# Allegro board 8880F5-0827_6.brd (continued)
## Routing (per net, layer and track width the routed paths; a pad name or vN(x,y) marks a point on that pad's centre or on a via; arc(x,y) is an arc through that point) (continued)
D10701: length 215.7
  TOP w0.086: SITE4.172 317.68,177.63 317.6,177.71 313.62,177.71 312.68,176.77 311.43,176.77 v1(310.98,176.32)
  L03_SIGNAL w0.071: v1(325.39,142.43) 324.99,142.43 324.92,142.36 324.92,141.4 325.93,140.39 340.08,140.39 376.74,103.73 376.74,51.31 378.67,49.39 382.41,49.39 383.51,50.49 383.51,53.37 D107.01
  L30_SIGNAL w0.071: v1(310.98,176.32) 310.98,176.72 311.05,176.79 312.11,176.79 312.59,177.27 312.59,181.47 311.58,182.49 305.7,182.49 304.01,180.8 304.01,159.18 313.89,149.3 313.89,144.2 317.32,140.77 324.28,140.77 324.92,141.41 324.92,142.36 324.99,142.43 v1(325.39,142.43)
D10702: length 197.6
  TOP w0.086: v1(307.59,169.94) 308.05,170.39 321.9,170.39 322.55,171.04 322.55,171.4 322.63,171.48 SITE4.2
  L03_SIGNAL w0.071: v1(357.06,131.3) 357.06,131.7 357.13,131.77 359.78,131.77 378.65,112.9 378.65,63.63 380.11,62.18 384.9,62.18 385.93,61.15 385.93,60.81 D107.02
  L32_SIGNAL w0.071: v1(307.59,169.94) 307.59,170.34 307.67,170.41 318.35,170.41 321.36,167.4 331.7,167.4 334.63,164.46 334.63,144.9 333.46,143.72 333.46,135.24 341.52,127.19 351.88,127.19 356.46,131.77 356.99,131.77 357.06,131.7 v1(357.06,131.3)
D10703: length 214.7
  TOP w0.086: SITE4.171 317.68,178.03 317.6,177.95 313.52,177.95 312.58,177.01 311.43,177.01 v1(310.98,177.46)
  L03_SIGNAL w0.071: v1(324.25,142.43) 324.65,142.43 324.72,142.36 324.72,141.32 325.85,140.19 340,140.19 376.55,103.64 376.55,51.23 378.59,49.19 382.49,49.19 383.71,50.41 383.71,53.51 D107.03
  L30_SIGNAL w0.071: v1(324.25,142.43) 324.65,142.43 324.72,142.36 324.72,141.49 324.2,140.97 317.4,140.97 314.09,144.28 314.09,149.38 304.21,159.26 304.21,180.72 305.78,182.29 311.5,182.29 312.39,181.39 312.39,177.35 312.03,176.99 311.05,176.99 310.98,177.06 v1(310.98,177.46)
D10704: length 197.5
  TOP w0.086: SITE4.1 322.23,171.48 322.31,171.4 322.31,171.14 321.8,170.63 308.05,170.63 v1(307.59,171.09)
  L03_SIGNAL w0.071: D107.04 386.13,60.91 386.13,61.24 384.99,62.38 380.19,62.38 378.85,63.72 378.85,112.98 359.86,131.97 357.13,131.97 357.06,132.04 v1(357.06,132.44)
  L32_SIGNAL w0.071: v1(357.06,132.44) 357.06,132.04 356.99,131.97 356.38,131.97 351.79,127.38 341.6,127.38 333.66,135.32 333.66,143.64 334.83,144.81 334.83,164.55 331.78,167.6 321.44,167.6 318.43,170.61 307.67,170.61 307.59,170.68 v1(307.59,171.09)
D10713: length 221.5
  TOP w0.086: SITE4.6 324.23,171.48 324.15,171.4 324.15,170.57 319.24,165.66 319.24,162.51 v1(319.69,162.06)
  L03_SIGNAL w0.071: v1(391.43,142.68) 391.03,142.68 390.96,142.61 390.96,141.62 401.72,130.86 401.72,126.68 424.19,104.21 424.19,52.93 421.68,50.41 415.33,50.41 413.83,51.92 413.83,53.53 D107.13
  L30_SIGNAL w0.071: v1(319.69,162.06) 319.29,162.06 319.22,161.99 319.22,153.82 320.93,152.12 330.5,152.12 331.58,153.19 356.65,153.19 357.58,152.26 371.89,152.26 378.54,145.61 389.67,145.61 390.96,144.31 390.96,142.76 391.03,142.68 v1(391.43,142.68)
D10714: length 197.7
  TOP w0.086: SITE4.8 325.03,171.48 324.95,171.4 324.95,170.08 321.42,166.55 321.42,159.77 v1(321.88,159.32)
  L03_SIGNAL w0.071: v1(391.43,129.1) 391.03,129.1 390.96,129.17 390.96,129.98 391.28,130.3 395.77,130.3 422.99,103.08 422.99,63.01 422.28,62.3 417.48,62.3 416.44,61.27 416.44,60.84 D107.14
  L28_SIGNAL w0.071: v1(321.88,159.32) 321.47,159.32 321.4,159.24 321.4,155.23 342.35,134.28 387.36,134.28 390.96,130.68 390.96,129.17 391.03,129.1 v1(391.43,129.1)
D10715: length 220.9
  TOP w0.086: SITE4.5 323.83,171.48 323.91,171.4 323.91,170.67 319,165.76 319,162.51 v1(318.55,162.06)
  L03_SIGNAL w0.071: v1(390.29,142.68) 390.69,142.68 390.76,142.61 390.76,141.54 401.52,130.78 401.52,126.6 423.99,104.13 423.99,53.01 421.59,50.61 415.41,50.61 414.02,52 414.02,53.34 D107.15
  L30_SIGNAL w0.071: v1(390.29,142.68) 390.69,142.68 390.76,142.76 390.76,144.23 389.58,145.41 378.46,145.41 371.81,152.06 357.5,152.06 356.57,152.99 331.66,152.99 330.59,151.92 320.84,151.92 319.02,153.74 319.02,161.99 318.95,162.06 v1(318.55,162.06)
D10716: length 198.4
  TOP w0.086: SITE4.7 324.63,171.48 324.71,171.4 324.71,170.18 321.18,166.65 321.18,159.77 v1(320.73,159.32)
  L03_SIGNAL w0.071: D107.16 416.64,60.88 416.64,61.19 417.56,62.1 422.36,62.1 423.19,62.93 423.19,103.16 395.85,130.5 391.2,130.5 390.76,130.06 390.76,129.17 390.69,129.1 v1(390.29,129.1)
  L28_SIGNAL w0.071: v1(320.73,159.32) 321.13,159.32 321.2,159.24 321.2,155.14 342.26,134.08 387.28,134.08 390.76,130.6 390.76,129.17 390.69,129.1 v1(390.29,129.1)
D10801: length 216.1
  TOP w0.086: SITE4.168 317.68,179.23 317.6,179.31 313.35,179.31 312.18,180.49 311.43,180.49 v1(310.98,180.03)
  L03_SIGNAL w0.071: v1(311.89,156.84) 311.49,156.84 311.42,156.77 311.42,155.6 314.45,152.57 314.45,149.22 322.63,141.04 322.63,125.58 327.73,120.47 333.13,120.47 338.77,114.83 346.44,114.83 371.7,89.57 371.7,34.1 375.91,29.89 381.03,29.89 383.52,32.38 383.52,33.04 D108.01
  L30_SIGNAL w0.071: v1(310.98,180.03) 310.98,180.43 310.91,180.51 306.49,180.51 305.63,179.65 305.63,162.35 308.97,159.02 310.12,159.02 311.42,157.72 311.42,156.92 311.49,156.84 v1(311.89,156.84)
D10802: length 215.6
  TOP w0.086: SITE4.176 317.68,176.03 317.6,176.11 316.22,176.11 312.94,172.83 311.43,172.83 v1(310.98,172.38)
  L03_SIGNAL w0.071: v1(325.39,128.84) 324.99,128.84 324.92,128.91 324.92,129.48 325.61,130.17 335.01,130.17 337.76,127.42 341.34,127.42 372.97,95.78 372.97,47.6 377.01,43.56 384.68,43.56 386.02,42.22 386.02,40.58 D108.02
  L32_SIGNAL w0.071: v1(310.98,172.38) 310.98,172.78 310.91,172.85 306.86,172.85 304.63,170.63 304.63,169.03 301.42,165.81 301.42,132.34 303.11,130.65 324.31,130.65 324.92,130.03 324.92,128.91 324.99,128.84 v1(325.39,128.84)
D10803: length 217
  TOP w0.086: v1(310.98,181.18) 311.43,180.72 312.28,180.72 313.45,179.55 317.6,179.55 317.68,179.63 SITE4.167
  L03_SIGNAL w0.071: v1(310.75,156.84) 311.15,156.84 311.22,156.77 311.22,155.51 314.25,152.49 314.25,149.14 322.43,140.96 322.43,125.49 327.65,120.28 333.05,120.28 338.69,114.64 346.35,114.64 371.5,89.49 371.5,34.02 375.83,29.7 381.12,29.7 383.71,32.29 383.71,33.19 D108.03
  L30_SIGNAL w0.071: v1(310.98,181.18) 310.98,180.77 310.91,180.7 306.41,180.7 305.44,179.73 305.44,162.27 308.88,158.82 310.04,158.82 311.22,157.64 311.22,156.92 311.15,156.84 v1(310.75,156.84)
D10804: length 216.5
  TOP w0.086: SITE4.175 317.68,176.43 317.6,176.35 316.12,176.35 312.84,173.07 311.43,173.07 v1(310.98,173.52)
  L03_SIGNAL w0.071: v1(324.25,128.84) 324.65,128.84 324.72,128.91 324.72,129.56 325.53,130.37 335.1,130.37 337.85,127.62 341.42,127.62 373.17,95.87 373.17,47.68 377.1,43.76 384.76,43.76 386.21,42.3 386.21,40.51 D108.04
  L32_SIGNAL w0.071: v1(310.98,173.52) 310.98,173.12 310.91,173.05 306.77,173.05 304.44,170.71 304.44,169.11 301.22,165.89 301.22,132.26 303.03,130.45 324.23,130.45 324.72,129.95 324.72,128.91 324.65,128.84 v1(324.25,128.84)
D10805: length 228.7
  TOP w0.086: SITE4.170 317.68,178.43 317.6,178.51 308.05,178.51 v1(307.59,178.06)
  L03_SIGNAL w0.071: D108.05 393.65,33.07 393.65,31.88 389.09,27.32 374.82,27.32 369.76,32.37 369.76,87.09 352.73,104.13 341.49,104.13 321.58,124.04 321.58,133.6 314.39,140.79 312.25,140.79 311.42,141.63 311.42,143.18 311.49,143.26 v1(311.89,143.26)
  L28_SIGNAL w0.071: v1(307.59,178.06) 307.59,178.46 307.52,178.53 305.75,178.53 305.07,177.85 305.07,158.92 310.12,153.87 310.12,146.23 311.42,144.93 311.42,143.33 311.49,143.26 v1(311.89,143.26)
D10806: length 213.5
  TOP w0.086: SITE4.174 317.68,176.83 317.6,176.91 314.63,176.91 312.6,174.88 308.05,174.88 v1(307.59,174.42)
  L03_SIGNAL w0.071: v1(343.47,131.3) 343.47,131.7 343.54,131.77 345.3,131.77 374.8,102.27 374.8,50.05 379.24,45.61 393.29,45.61 396.23,42.67 396.23,40.63 D108.06
  L32_SIGNAL w0.071: v1(343.47,131.3) 343.47,131.7 343.4,131.77 342.69,131.77 342.4,132.06 340.71,132.06 338.34,134.43 338.34,150.55 339.37,151.58 339.37,165.65 336.55,168.47 322.48,168.47 316.06,174.9 307.67,174.9 307.59,174.83 v1(307.59,174.42)
D10807: length 229.7
  TOP w0.086: v1(307.59,179.2) 308.05,178.75 317.6,178.75 317.68,178.83 SITE4.169
  L03_SIGNAL w0.071: D108.07 393.85,33.17 393.85,31.8 389.17,27.12 374.74,27.12 369.57,32.29 369.57,87.01 352.64,103.93 341.41,103.93 321.38,123.95 321.38,133.52 314.31,140.59 312.17,140.59 311.22,141.54 311.22,143.18 311.15,143.26 v1(310.75,143.26)
  L28_SIGNAL w0.071: v1(310.75,143.26) 311.15,143.26 311.22,143.33 311.22,144.85 309.92,146.15 309.92,153.78 304.87,158.83 304.87,177.93 305.67,178.73 307.52,178.73 307.59,178.8 v1(307.59,179.2)
D10808: length 213.7
  TOP w0.086: v1(307.59,175.57) 308.05,175.12 312.5,175.12 314.53,177.15 317.6,177.15 317.68,177.23 SITE4.173
  L03_SIGNAL w0.071: D108.08 396.43,40.45 396.43,42.75 393.38,45.81 379.32,45.81 375,50.13 375,102.36 345.38,131.97 343.54,131.97 343.47,132.04 v1(343.47,132.44)
  L32_SIGNAL w0.071: v1(307.59,175.57) 307.59,175.17 307.67,175.1 316.14,175.1 322.57,168.67 336.64,168.67 339.57,165.73 339.57,151.5 338.54,150.46 338.54,134.51 340.79,132.26 342.49,132.26 342.78,131.97 343.4,131.97 343.47,132.04 v1(343.47,132.44)
D10809: length 277.2
  TOP w0.086: SITE4.14 327.43,171.48 327.35,171.4 327.35,162.51 v1(327.8,162.06)
  L03_SIGNAL w0.071: v1(417.85,142.68) 417.45,142.68 417.38,142.61 417.38,141.64 437.2,121.82 437.2,40.1 422.84,25.74 406.42,25.74 403.72,28.44 403.72,33.16 D108.09
  L30_SIGNAL w0.071: v1(417.85,142.68) 417.45,142.68 417.38,142.76 417.38,145.22 416.83,145.76 416.83,147.69 412.74,151.77 383.72,151.77 376.78,158.72 370.81,158.72 369.67,157.58 366.34,157.58 365.51,158.41 340.61,158.41 339.07,156.87 335.4,156.87 334.71,157.56 327.95,157.56 327.33,158.19 327.33,161.99 327.4,162.06 v1(327.8,162.06)
D10810: length 234.2
  TOP w0.086: SITE4.12 326.63,171.48 326.55,171.4 326.55,167.84 325.57,166.86 325.57,159.77 v1(326.02,159.32)
  L03_SIGNAL w0.071: D108.10 406.29,40.53 406.29,42.71 408.39,44.81 421.74,44.81 425.31,48.38 425.31,114.03 408.69,130.65 404.8,130.65 404.17,130.01 404.17,129.17 404.24,129.1 v1(404.64,129.1)
  L28_SIGNAL w0.071: v1(326.02,159.32) 325.62,159.32 325.55,159.24 325.55,154.87 344.94,135.48 367.35,135.48 369.68,137.81 397.12,137.81 404.17,130.75 404.17,129.17 404.24,129.1 v1(404.64,129.1)
D10811: length 276.6
  TOP w0.086: SITE4.13 327.03,171.48 327.11,171.4 327.11,162.51 v1(326.66,162.06)
  L03_SIGNAL w0.071: D108.11 403.92,33.08 403.92,28.53 406.5,25.94 422.76,25.94 437,40.18 437,121.74 417.18,141.56 417.18,142.61 417.11,142.68 v1(416.71,142.68)
  L30_SIGNAL w0.071: v1(326.66,162.06) 327.06,162.06 327.13,161.99 327.13,158.1 327.87,157.36 334.63,157.36 335.32,156.67 339.15,156.67 340.69,158.21 365.43,158.21 366.26,157.38 369.75,157.38 370.89,158.52 376.69,158.52 383.64,151.58 412.66,151.58 416.64,147.6 416.64,145.68 417.18,145.14 417.18,142.76 417.11,142.68 v1(416.71,142.68)
D10812: length 234.9
  TOP w0.086: v1(324.88,159.32) 325.33,159.77 325.33,166.96 326.31,167.94 326.31,171.4 326.23,171.48 SITE4.11
  L03_SIGNAL w0.071: v1(403.5,129.1) 403.9,129.1 403.97,129.17 403.97,130.1 404.72,130.85 408.77,130.85 425.51,114.11 425.51,48.3 421.82,44.61 408.47,44.61 406.48,42.63 406.48,40.56 D108.12
  L28_SIGNAL w0.071: v1(403.5,129.1) 403.9,129.1 403.97,129.17 403.97,130.67 397.03,137.61 369.76,137.61 367.43,135.28 344.86,135.28 325.35,154.79 325.35,159.24 325.28,159.32 v1(324.88,159.32)
D10813: length 260.5
  TOP w0.086: SITE4.10 325.83,171.48 325.75,171.4 325.75,168.95 323.58,166.78 323.58,162.51 v1(324.03,162.06)
  L03_SIGNAL w0.071: v1(404.64,142.68) 404.24,142.68 404.17,142.61 404.17,141.13 407.56,137.74 417.32,137.74 435.6,119.45 435.6,43.21 420.94,28.54 415.91,28.54 413.98,30.47 413.98,33.06 D108.13
  L30_SIGNAL w0.071: v1(404.64,142.68) 404.24,142.68 404.17,142.76 404.17,144.54 403.27,145.43 403.27,147.9 401.63,149.54 378.73,149.54 372.92,155.35 325.21,155.35 323.56,156.99 323.56,161.99 323.63,162.06 v1(324.03,162.06)
D10814: length 228.3
  TOP w0.086: SITE4.16 328.23,171.48 328.15,171.4 328.15,163.49 329.52,162.12 329.52,159.77 v1(329.98,159.32)
  L03_SIGNAL w0.071: v1(417.85,129.1) 417.45,129.1 417.38,129.17 417.38,129.56 417.85,130.04 418.87,130.04 426.71,122.2 426.71,46.8 422.76,42.85 418.18,42.85 416.43,41.1 416.43,40.51 D108.14
  L28_SIGNAL w0.071: v1(329.98,159.32) 329.57,159.32 329.5,159.24 329.5,155.36 343.88,140.98 347.69,140.98 351.45,137.22 365.78,137.22 370.19,141.64 406.19,141.64 417.38,130.45 417.38,129.17 417.45,129.1 v1(417.85,129.1)
D10815: length 259.7
  TOP w0.086: SITE4.9 325.43,171.48 325.51,171.4 325.51,169.05 323.34,166.88 323.34,162.51 v1(322.89,162.06)
  L03_SIGNAL w0.071: v1(403.5,142.68) 403.9,142.68 403.97,142.61 403.97,141.05 407.48,137.54 417.23,137.54 435.4,119.37 435.4,43.29 420.85,28.74 415.99,28.74 414.18,30.55 414.18,33.18 D108.15
  L30_SIGNAL w0.071: v1(322.89,162.06) 323.29,162.06 323.36,161.99 323.36,156.91 325.12,155.15 372.84,155.15 378.64,149.34 401.55,149.34 403.07,147.82 403.07,145.35 403.97,144.45 403.97,142.76 403.9,142.68 v1(403.5,142.68)
D10816: length 229
  TOP w0.086: v1(328.83,159.32) 329.28,159.77 329.28,162.02 327.91,163.39 327.91,171.4 327.83,171.48 SITE4.15
  L03_SIGNAL w0.071: D108.16 416.63,40.57 416.63,41.02 418.26,42.65 422.85,42.65 426.91,46.71 426.91,122.28 418.95,130.24 417.77,130.24 417.18,129.65 417.18,129.17 417.11,129.1 v1(416.71,129.1)
  L28_SIGNAL w0.071: v1(416.71,129.1) 417.11,129.1 417.18,129.17 417.18,130.36 406.1,141.44 370.28,141.44 365.86,137.02 351.36,137.02 347.61,140.78 343.8,140.78 329.3,155.27 329.3,159.24 329.23,159.32 v1(328.83,159.32)
D10901: length 237.9
  TOP w0.086: v1(310.98,240.03) 311.43,240.48 312.18,240.48 313.35,239.31 317.6,239.31 317.68,239.23 SITE2.168
  L03_SIGNAL w0.071: D109.01 419.2,335.18 419.2,336.7 420.55,338.05 424.16,338.05 427.35,334.85 427.35,251.04 426.46,250.15 418.71,250.15 417.12,251.73 417.12,251.83 417.19,251.9 v1(417.6,251.9)
  L30_SIGNAL w0.071: v1(310.98,240.03) 310.98,240.43 311.05,240.51 314.71,240.51 316.83,238.39 334.61,238.39 339.64,243.42 345.94,243.42 350.53,238.82 359.89,238.82 360.55,239.48 406.27,239.48 417.12,250.34 417.12,251.83 417.19,251.9 v1(417.6,251.9)
D10902: length 227.5
  TOP w0.086: v1(307.59,238.06) 308.05,238.51 317.6,238.51 317.68,238.43 SITE2.170
  L03_SIGNAL w0.071: v1(417.6,238.32) 417.19,238.32 417.12,238.39 417.12,239.1 414.7,241.52 414.7,304.24 416.72,306.26 416.72,327.82 D109.02
  L28_SIGNAL w0.071: v1(307.59,238.06) 307.59,238.46 307.67,238.53 318.63,238.53 325.01,232.16 352.33,232.16 354.96,229.53 412.78,229.53 417.12,233.87 417.12,238.24 417.19,238.32 v1(417.6,238.32)
D10903: length 238.9
  TOP w0.086: SITE2.167 317.68,239.63 317.6,239.55 313.45,239.55 312.28,240.72 311.43,240.72 v1(310.98,241.18)
  L03_SIGNAL w0.071: v1(416.45,251.9) 416.85,251.9 416.92,251.83 416.92,251.65 418.62,249.95 426.54,249.95 427.55,250.96 427.55,334.94 424.24,338.25 420.47,338.25 419,336.78 419,335.18 D109.03
  L30_SIGNAL w0.071: v1(416.45,251.9) 416.85,251.9 416.92,251.83 416.92,250.42 406.18,239.68 360.46,239.68 359.81,239.02 350.61,239.02 346.02,243.62 339.56,243.62 334.53,238.59 316.91,238.59 314.8,240.7 311.05,240.7 310.98,240.77 v1(310.98,241.18)
D10904: length 227.2
  TOP w0.086: SITE2.169 317.68,238.83 317.6,238.75 308.05,238.75 v1(307.59,239.2)
  L03_SIGNAL w0.071: D109.04 416.52,327.7 416.52,306.34 414.5,304.32 414.5,241.44 416.92,239.01 416.92,238.39 416.85,238.32 v1(416.45,238.32)
  L28_SIGNAL w0.071: v1(416.45,238.32) 416.85,238.32 416.92,238.24 416.92,233.95 412.7,229.72 355.04,229.72 352.41,232.35 325.09,232.35 318.72,238.73 307.67,238.73 307.59,238.8 v1(307.59,239.2)
D10905: length 273.7
  TOP w0.086: SITE2.6 324.23,231.48 324.15,231.4 324.15,230.57 319.24,225.66 319.24,222.51 v1(319.69,222.06)
  L03_SIGNAL w0.071: D109.05 409.03,335.19 409.03,339.2 411.51,341.68 424.85,341.68 435.1,331.44 435.1,242.08 427.23,234.2 403.79,234.2 403.15,234.84 403.15,235.83 403.22,235.9 v1(403.63,235.9)
  L30_SIGNAL w0.071: v1(319.69,222.06) 319.29,222.06 319.22,222.13 319.22,227.14 324.45,232.37 365.2,232.37 366.34,231.23 399.9,231.23 403.15,234.49 403.15,235.83 403.22,235.9 v1(403.63,235.9)
D10906: length 218.2
  TOP w0.086: v1(327.8,222.06) 327.35,222.51 327.35,231.4 327.43,231.48 SITE2.14
  L03_SIGNAL w0.071: v1(410.48,220.41) 410.08,220.41 410.01,220.48 410.01,222.39 400.89,231.51 400.89,301.93 406.53,307.57 406.53,327.79 D109.06
  L30_SIGNAL w0.071: v1(327.8,222.06) 327.4,222.06 327.33,222.13 327.33,222.52 327.77,222.96 328.38,222.96 331.08,220.26 341.59,220.26 343.65,218.21 398.07,218.21 399.93,216.34 407.59,216.34 410.01,218.76 410.01,220.34 410.08,220.41 v1(410.48,220.41)
D10907: length 275.1
  TOP w0.086: v1(318.55,222.06) 319,222.51 319,225.76 323.91,230.67 323.91,231.4 323.83,231.48 SITE2.5
  L03_SIGNAL w0.071: D109.07 408.83,335.17 408.83,339.29 411.42,341.88 424.94,341.88 435.3,331.52 435.3,241.99 427.31,234.01 403.71,234.01 402.95,234.76 402.95,235.83 402.88,235.9 v1(402.48,235.9)
  L30_SIGNAL w0.071: v1(318.55,222.06) 318.95,222.06 319.02,222.13 319.02,227.22 324.37,232.57 365.28,232.57 366.42,231.43 399.81,231.43 402.95,234.57 402.95,235.83 402.88,235.9 v1(402.48,235.9)
D10908: length 218.2
  TOP w0.086: v1(326.66,222.06) 327.11,222.51 327.11,231.4 327.03,231.48 SITE2.13
  L03_SIGNAL w0.071: v1(409.34,220.41) 409.74,220.41 409.81,220.48 409.81,222.31 400.69,231.43 400.69,302.01 406.34,307.65 406.34,327.72 D109.08
  L30_SIGNAL w0.071: v1(409.34,220.41) 409.74,220.41 409.81,220.34 409.81,218.84 407.51,216.54 400.01,216.54 398.15,218.4 343.73,218.4 341.67,220.46 331.16,220.46 328.46,223.16 327.69,223.16 327.13,222.6 327.13,222.13 327.06,222.06 v1(326.66,222.06)
D10909: length 264.4
  TOP w0.086: v1(310.98,232.38) 311.43,232.83 312.94,232.83 316.22,236.11 317.6,236.11 317.68,236.03 SITE2.176
  L03_SIGNAL w0.071: v1(390.16,222.06) 389.76,222.06 389.69,221.99 389.69,220.76 389.22,220.3 387.72,220.3 386.36,221.66 386.36,233.13 379.87,239.61 379.87,300.96 372.54,308.29 372.54,336.85 378.95,343.26 393.78,343.26 398.86,338.19 398.86,335.2 D109.09
  L32_SIGNAL w0.071: v1(390.16,222.06) 389.76,222.06 389.69,221.99 389.69,221.89 389.7,221.88 389.7,220.52 389.03,219.85 387.29,219.85 383.84,223.31 380.53,223.31 376.41,219.19 364.1,219.19 351.28,232.02 322.43,232.02 321.6,232.85 311.05,232.85 310.98,232.78 v1(310.98,232.38)
D10910: length 217.8
  TOP w0.086: SITE2.8 325.03,231.48 324.95,231.4 324.95,230.08 321.42,226.55 321.42,219.77 v1(321.88,219.32)
  L03_SIGNAL w0.071: D109.10 396.38,327.8 396.38,314.52 399.99,310.9 399.99,226.48 403.15,223.32 403.15,222.39 403.22,222.31 v1(403.63,222.31)
  L28_SIGNAL w0.071: v1(321.88,219.32) 321.47,219.32 321.4,219.39 321.4,219.95 321.87,220.42 346.77,220.42 347.65,219.53 365.2,219.53 369.64,215.09 398.51,215.09 403.15,219.73 403.15,222.24 403.22,222.31 v1(403.63,222.31)
D10911: length 262.7
  TOP w0.086: SITE2.175 317.68,236.43 317.6,236.35 316.12,236.35 312.84,233.07 311.43,233.07 v1(310.98,233.52)
  L03_SIGNAL w0.071: D109.11 398.66,335.16 398.66,338.1 393.7,343.06 379.04,343.06 372.74,336.76 372.74,308.37 380.07,301.04 380.07,239.7 386.56,233.21 386.56,221.74 387.8,220.49 389.14,220.49 389.49,220.84 389.49,221.99 389.42,222.06 v1(389.02,222.06)
  L32_SIGNAL w0.071: v1(310.98,233.52) 310.98,233.12 311.05,233.05 321.68,233.05 322.51,232.21 351.36,232.21 364.19,219.39 376.33,219.39 380.45,223.51 383.92,223.51 387.38,220.05 388.95,220.05 389.5,220.6 389.5,221.8 389.49,221.81 389.49,221.99 389.42,222.06 v1(389.02,222.06)
D10912: length 217.8
  TOP w0.086: SITE2.7 324.63,231.48 324.71,231.4 324.71,230.18 321.18,226.65 321.18,219.77 v1(320.73,219.32)
  L03_SIGNAL w0.071: D109.12 396.18,327.72 396.18,314.44 399.8,310.82 399.8,226.4 402.95,223.24 402.95,222.39 402.88,222.31 v1(402.48,222.31)
  L28_SIGNAL w0.071: v1(402.48,222.31) 402.88,222.31 402.95,222.24 402.95,219.82 398.43,215.29 369.72,215.29 365.28,219.73 347.73,219.73 346.85,220.61 321.79,220.61 321.2,220.03 321.2,219.39 321.13,219.32 v1(320.73,219.32)
D10913: length 220.4
  TOP w0.086: v1(310.98,236.32) 311.43,236.77 312.68,236.77 313.62,237.71 317.6,237.71 317.68,237.63 SITE2.172
  L03_SIGNAL w0.071: D109.13 388.74,335.16 388.74,337.57 386.82,339.49 379.6,339.49 377.44,337.33 377.44,309.62 384.16,302.9 384.16,256.43 385.88,254.72 385.88,235.66 386.84,234.7 389.28,234.7 389.69,235.11 389.69,235.58 389.76,235.65 v1(390.16,235.65)
  L30_SIGNAL w0.071: v1(310.98,236.32) 310.98,236.72 311.05,236.79 319.71,236.79 322.74,233.75 388.55,233.75 389.69,234.9 389.69,235.58 389.76,235.65 v1(390.16,235.65)
D10914: length 219.8
  TOP w0.086: v1(324.03,222.06) 323.58,222.51 323.58,226.78 325.75,228.95 325.75,231.4 325.83,231.48 SITE2.10
  L03_SIGNAL w0.071: D109.14 386.16,327.74 386.16,313.87 393.4,306.63 393.4,225.91 396.3,223.01 396.3,220.23 396.37,220.15 v1(396.77,220.15)
  L30_SIGNAL w0.071: v1(324.03,222.06) 323.63,222.06 323.56,221.99 323.56,221.14 322.86,220.45 321.54,220.45 321.06,220.93 321.06,224.72 324.19,227.84 343.4,227.84 345.95,230.4 388.65,230.4 396.3,222.75 396.3,220.23 396.37,220.15 v1(396.77,220.15)
D10915: length 218.7
  TOP w0.086: v1(310.98,237.46) 311.43,237.01 312.58,237.01 313.52,237.95 317.6,237.95 317.68,238.03 SITE2.171
  L03_SIGNAL w0.071: D109.15 388.54,335.2 388.54,337.49 386.74,339.3 379.68,339.3 377.64,337.25 377.64,309.71 384.36,302.98 384.36,256.52 386.08,254.8 386.08,235.74 386.92,234.89 389.19,234.89 389.49,235.19 389.49,235.58 389.42,235.65 v1(389.02,235.65)
  L30_SIGNAL w0.071: v1(389.02,235.65) 389.42,235.65 389.49,235.58 389.49,234.98 388.47,233.95 322.83,233.95 319.79,236.99 311.05,236.99 310.98,237.06 v1(310.98,237.46)
D10916: length 218.5
  TOP w0.086: v1(322.89,222.06) 323.34,222.51 323.34,226.88 325.51,229.05 325.51,231.4 325.43,231.48 SITE2.9
  L03_SIGNAL w0.071: v1(395.62,220.15) 396.03,220.15 396.1,220.23 396.1,222.93 393.2,225.83 393.2,306.55 385.96,313.79 385.96,327.78 D109.16
  L30_SIGNAL w0.071: v1(395.62,220.15) 396.03,220.15 396.1,220.23 396.1,222.67 388.57,230.2 346.04,230.2 343.48,227.64 324.27,227.64 321.26,224.64 321.26,221.01 321.62,220.65 322.78,220.65 323.36,221.23 323.36,221.99 323.29,222.06 v1(322.89,222.06)
D11001: length 302.9
  TOP w0.086: v1(329.98,219.32) 329.52,219.77 329.52,222.12 328.15,223.49 328.15,231.4 328.23,231.48 SITE2.16
  L03_SIGNAL w0.071: D110.01 419.17,355.53 419.17,361.4 420.76,362.99 430.62,362.99 440.49,353.11 440.49,231.74 413.58,204.83 410.66,204.83 410.01,205.48 410.01,206.75 410.08,206.82 v1(410.48,206.82)
  L28_SIGNAL w0.071: v1(410.48,206.82) 410.08,206.82 410.01,206.89 410.01,207.82 404.6,213.24 364.19,213.24 359.77,217.65 330.01,217.65 329.5,218.16 329.5,219.24 329.57,219.32 v1(329.98,219.32)
D11002: length 283.4
  TOP w0.086: v1(326.02,219.32) 325.57,219.77 325.57,226.86 326.55,227.84 326.55,231.4 326.63,231.48 SITE2.12
  L03_SIGNAL w0.071: v1(396.77,206.57) 396.37,206.57 396.3,206.64 396.3,207.67 402.05,213.42 417.42,213.42 437.18,233.18 437.18,341.09 433.31,344.96 416.96,344.96 416.41,345.52 416.41,347.83 D110.02
  L28_SIGNAL w0.071: v1(396.77,206.57) 396.37,206.57 396.29,206.64 396.29,208.12 393.86,210.56 363.92,210.56 358.72,215.76 344.03,215.76 343.32,215.04 328.17,215.04 325.55,217.67 325.55,219.24 325.62,219.32 v1(326.02,219.32)
D11003: length 304.2
  TOP w0.086: SITE2.15 327.83,231.48 327.91,231.4 327.91,223.39 329.28,222.02 329.28,219.77 v1(328.83,219.32)
  L03_SIGNAL w0.071: D110.03 418.97,355.47 418.97,361.48 420.68,363.18 430.7,363.18 440.69,353.2 440.69,231.66 413.66,204.63 410.58,204.63 409.81,205.4 409.81,206.75 409.74,206.82 v1(409.34,206.82)
  L28_SIGNAL w0.071: v1(328.83,219.32) 329.23,219.32 329.3,219.24 329.3,218.07 329.92,217.45 359.69,217.45 364.11,213.04 404.51,213.04 409.81,207.74 409.81,206.89 409.74,206.82 v1(409.34,206.82)
D11004: length 283.2
  TOP w0.086: SITE2.11 326.23,231.48 326.31,231.4 326.31,227.94 325.33,226.96 325.33,219.77 v1(324.88,219.32)
  L03_SIGNAL w0.071: v1(395.62,206.57) 396.03,206.57 396.1,206.64 396.1,207.75 401.96,213.62 417.34,213.62 436.98,233.27 436.98,341.01 433.22,344.77 416.88,344.77 416.21,345.44 416.21,348.33 D110.04
  L28_SIGNAL w0.071: v1(395.62,206.57) 396.03,206.57 396.1,206.64 396.1,208.04 393.78,210.36 363.84,210.36 358.63,215.56 344.11,215.56 343.4,214.85 328.09,214.85 325.35,217.59 325.35,219.24 325.28,219.32 v1(324.88,219.32)
D11013: length 262.6
  TOP w0.086: v1(307.59,234.42) 308.05,234.88 312.6,234.88 314.63,236.91 317.6,236.91 317.68,236.83 SITE2.174
  L03_SIGNAL w0.071: D110.13 388.69,355.53 388.69,358.76 385.57,361.88 375.35,361.88 366.86,353.4 366.86,296.69 372.55,291 372.55,221.69 374.01,220.23 375.65,220.23 375.98,220.56 375.98,221.73 376.05,221.81 v1(376.45,221.81)
  L32_SIGNAL w0.071: v1(307.59,234.42) 307.59,234.83 307.67,234.9 322.42,234.9 324.3,233.01 353.57,233.01 366.37,220.21 375.37,220.21 375.98,220.82 375.98,221.73 376.05,221.81 v1(376.45,221.81)
D11014: length 236
  TOP w0.086: v1(307.59,229.94) 308.05,230.39 321.9,230.39 322.55,231.04 322.55,231.4 322.63,231.48 SITE2.2
  L03_SIGNAL w0.071: v1(376.45,235.39) 376.05,235.39 375.98,235.47 375.98,236.14 376.62,236.78 377.55,236.78 378.66,237.9 378.66,292.64 370.36,300.93 370.36,339.69 375.89,345.21 385.17,345.21 386.24,346.28 386.24,348.14 D110.14
  L32_SIGNAL w0.071: v1(376.45,235.39) 376.05,235.39 375.98,235.47 375.98,236.43 375.49,236.91 351.49,236.91 348.96,234.38 334.67,234.38 330.21,238.83 309.85,238.83 308.02,237 306.35,237 304.9,235.56 304.9,231.14 305.63,230.41 307.52,230.41 307.59,230.34 v1(307.59,229.94)
D11015: length 261
  TOP w0.086: SITE2.173 317.68,237.23 317.6,237.15 314.53,237.15 312.5,235.12 308.05,235.12 v1(307.59,235.57)
  L03_SIGNAL w0.071: v1(375.3,221.81) 375.71,221.81 375.78,221.73 375.78,220.64 375.57,220.43 374.09,220.43 372.75,221.77 372.75,291.08 367.06,296.77 367.06,353.32 375.43,361.69 385.49,361.69 388.5,358.68 388.5,355.48 D110.15
  L32_SIGNAL w0.071: v1(307.59,235.57) 307.59,235.17 307.67,235.1 322.5,235.1 324.38,233.21 353.65,233.21 366.45,220.41 375.28,220.41 375.78,220.9 375.78,221.73 375.71,221.81 v1(375.3,221.81)
D11016: length 234.7
  TOP w0.086: SITE2.1 322.23,231.48 322.31,231.4 322.31,231.14 321.8,230.63 308.05,230.63 v1(307.59,231.08)
  L03_SIGNAL w0.071: D110.16 386.04,348.02 386.04,346.37 385.09,345.41 375.81,345.41 370.17,339.77 370.17,300.85 378.46,292.55 378.46,237.98 377.46,236.98 376.53,236.98 375.78,236.22 375.78,235.47 375.71,235.39 v1(375.3,235.39)
  L32_SIGNAL w0.071: v1(375.3,235.39) 375.71,235.39 375.78,235.47 375.78,236.35 375.41,236.71 351.57,236.71 349.04,234.18 334.58,234.18 330.13,238.63 309.93,238.63 308.1,236.8 306.43,236.8 305.1,235.47 305.1,231.22 305.71,230.61 307.52,230.61 307.59,230.68 v1(307.59,231.08)
D11901: length 214.6
  TOP w0.086: SITE3.8 245.03,171.48 244.95,171.4 244.95,170.08 241.42,166.55 241.42,159.77 v1(241.88,159.32)
  L03_SIGNAL w0.071: v1(164.91,134.6) 164.91,135 164.84,135.07 162.51,135.07 155.51,128.08 155.51,109 152.06,105.55 152.06,54.09 156.78,49.37 160.86,49.37 162.53,51.04 162.53,53.37 D119.01
  L28_SIGNAL w0.071: v1(241.88,159.32) 241.47,159.32 241.4,159.24 241.4,157.88 240.59,157.07 182.1,157.07 171.08,146.05 171.08,139.71 166.44,135.07 164.98,135.07 164.91,135 v1(164.91,134.6)
D11902: length 194.1
  TOP w0.086: SITE3.6 244.23,171.48 244.15,171.4 244.15,170.57 239.24,165.66 239.24,162.51 v1(239.69,162.06)
  L03_SIGNAL w0.071: D119.02 164.98,60.84 164.98,61.41 164.2,62.18 158.62,62.18 157.35,63.45 157.35,120.11 158.59,121.35 158.59,126.74 162.2,130.35 176.9,130.35 180.31,133.76 180.31,134.54 179.78,135.07 178.57,135.07 178.5,135 v1(178.5,134.6)
  L30_SIGNAL w0.071: v1(178.5,134.6) 178.5,135 178.57,135.07 181.1,135.07 183.45,137.41 183.45,142.72 194.58,153.85 202.07,153.85 207.22,159 237.49,159 239.22,160.73 239.22,161.99 239.29,162.06 v1(239.69,162.06)
D11903: length 215.2
  TOP w0.086: SITE3.7 244.63,171.48 244.71,171.4 244.71,170.18 241.18,166.65 241.18,159.77 v1(240.73,159.32)
  L03_SIGNAL w0.071: D119.03 162.73,53.51 162.73,50.95 160.95,49.17 156.7,49.17 151.86,54.01 151.86,105.63 155.31,109.09 155.31,128.16 162.43,135.27 164.84,135.27 164.91,135.34 v1(164.91,135.74)
  L28_SIGNAL w0.071: v1(164.91,135.74) 164.91,135.34 164.98,135.27 166.36,135.27 170.88,139.79 170.88,146.14 182.01,157.27 240.51,157.27 241.2,157.97 241.2,159.24 241.13,159.32 v1(240.73,159.32)
D11904: length 194.1
  TOP w0.086: SITE3.5 243.83,171.48 243.91,171.4 243.91,170.67 239,165.76 239,162.51 v1(238.55,162.06)
  L03_SIGNAL w0.071: v1(178.5,135.74) 178.5,135.34 178.57,135.27 179.86,135.27 180.51,134.63 180.51,133.68 176.98,130.15 162.28,130.15 158.79,126.66 158.79,121.27 157.55,120.03 157.55,63.54 158.71,62.38 164.29,62.38 165.18,61.49 165.18,60.88 D119.04
  L30_SIGNAL w0.071: v1(178.5,135.74) 178.5,135.34 178.57,135.27 181.02,135.27 183.25,137.5 183.25,142.8 194.49,154.05 201.99,154.05 207.14,159.19 237.41,159.19 239.02,160.81 239.02,161.99 238.95,162.06 v1(238.55,162.06)
D11913: length 187.3
  TOP w0.086: v1(244.03,162.06) 243.58,162.51 243.58,166.78 245.75,168.95 245.75,171.4 245.83,171.48 SITE3.10
  L03_SIGNAL w0.071: v1(195.26,147.81) 195.26,148.21 195.19,148.28 194.85,148.28 194.19,147.62 194.19,144.75 199.22,139.72 199.22,132.4 204.85,126.76 204.85,54.97 201.11,51.23 193.86,51.23 192.92,52.18 192.92,53.46 D119.13
  L30_SIGNAL w0.071: v1(244.03,162.06) 243.63,162.06 243.56,161.99 243.56,158.6 242.03,157.07 208.38,157.07 202.37,151.06 198.03,151.06 197.28,150.31 197.28,148.89 196.68,148.28 195.33,148.28 195.26,148.21 v1(195.26,147.81)
D11914: length 193.3
  TOP w0.086: v1(246.02,159.32) 245.57,159.77 245.57,166.86 246.55,167.84 246.55,171.4 246.63,171.48 SITE3.12
  L03_SIGNAL w0.071: D119.14 195.45,60.83 195.45,61.35 196.51,62.41 201.5,62.41 202.59,63.51 202.59,123.83 195.75,130.67 195.75,138.68 191.99,142.44 188.81,142.44 182.97,148.28 181.75,148.28 181.67,148.21 v1(181.67,147.81)
  L28_SIGNAL w0.071: v1(181.67,147.81) 181.67,148.21 181.75,148.28 182.96,148.28 188.5,153.82 241.97,153.82 245.55,157.4 245.55,159.24 245.62,159.32 v1(246.02,159.32)
D11915: length 186.7
  TOP w0.086: v1(242.89,162.06) 243.34,162.51 243.34,166.88 245.51,169.05 245.51,171.4 245.43,171.48 SITE3.9
  L03_SIGNAL w0.071: v1(195.26,148.95) 195.26,148.55 195.19,148.48 194.77,148.48 193.99,147.71 193.99,144.67 199.02,139.64 199.02,132.31 204.65,126.68 204.65,55.06 201.03,51.43 193.94,51.43 193.11,52.26 193.11,53.41 D119.15
  L30_SIGNAL w0.071: v1(195.26,148.95) 195.26,148.55 195.33,148.48 196.6,148.48 197.09,148.97 197.09,150.39 197.95,151.26 202.29,151.26 208.3,157.27 241.95,157.27 243.36,158.68 243.36,161.99 243.29,162.06 v1(242.89,162.06)
D11916: length 193.4
  TOP w0.086: SITE3.11 246.23,171.48 246.31,171.4 246.31,167.94 245.33,166.96 245.33,159.77 v1(244.88,159.32)
  L03_SIGNAL w0.071: v1(181.67,148.95) 181.67,148.55 181.75,148.48 183.05,148.48 188.9,142.63 192.08,142.63 195.95,138.77 195.95,130.75 202.79,123.91 202.79,63.43 201.58,62.22 196.59,62.22 195.64,61.27 195.64,60.9 D119.16
  L28_SIGNAL w0.071: v1(244.88,159.32) 245.28,159.32 245.35,159.24 245.35,157.48 241.89,154.02 188.42,154.02 182.88,148.48 181.75,148.48 181.67,148.55 v1(181.67,148.95)
D12001: length 250.2
  TOP w0.086: SITE3.2 242.63,171.48 242.55,171.4 242.55,171.04 241.9,170.39 228.05,170.39 v1(227.59,169.94)
  L03_SIGNAL w0.071: v1(195.26,161.52) 195.26,161.93 195.19,162 194.61,162 190.75,158.14 165.63,158.14 141.77,134.28 141.77,37.21 149.95,29.04 159.84,29.04 162.49,31.68 162.49,33.09 D120.01
  L32_SIGNAL w0.071: v1(195.26,161.52) 195.26,161.93 195.33,162 196.58,162 196.93,161.64 196.93,160.39 198.62,158.7 214.61,158.7 226.32,170.41 227.52,170.41 227.59,170.34 v1(227.59,169.94)
D12002: length 240.7
  TOP w0.086: SITE3.168 237.68,179.23 237.6,179.31 233.36,179.31 232.18,180.49 231.43,180.49 v1(230.98,180.03)
  L03_SIGNAL w0.071: v1(178.5,147.81) 178.5,148.21 178.57,148.28 179.49,148.28 180.21,149 180.21,150.29 179.46,151.04 163.61,151.04 143.61,131.04 143.61,50.37 150.84,43.14 164.11,43.14 164.89,42.36 164.89,40.43 D120.02
  L30_SIGNAL w0.071: v1(230.98,180.03) 230.98,180.43 230.91,180.51 226.97,180.51 223.85,177.38 217.72,177.38 216.65,176.31 216.65,172.06 203.06,158.47 184.81,158.47 180.14,153.8 180.14,148.64 179.79,148.28 178.57,148.28 178.5,148.21 v1(178.5,147.81)
D12003: length 250.8
  TOP w0.086: v1(227.59,171.09) 228.05,170.63 241.8,170.63 242.31,171.14 242.31,171.4 242.23,171.48 SITE3.1
  L03_SIGNAL w0.071: D120.03 162.69,33.15 162.69,31.6 159.92,28.84 149.87,28.84 141.57,37.13 141.57,134.36 165.55,158.34 190.67,158.34 194.53,162.2 195.19,162.2 195.26,162.27 v1(195.26,162.67)
  L32_SIGNAL w0.071: v1(227.59,171.09) 227.59,170.68 227.52,170.61 226.24,170.61 214.53,158.9 198.7,158.9 197.13,160.47 197.13,161.73 196.66,162.2 195.33,162.2 195.26,162.27 v1(195.26,162.67)
D12004: length 239.8
  TOP w0.086: SITE3.167 237.68,179.63 237.6,179.55 233.45,179.55 232.28,180.72 231.43,180.72 v1(230.98,181.18)
  L03_SIGNAL w0.071: v1(178.5,148.95) 178.5,148.55 178.57,148.48 179.41,148.48 180.01,149.08 180.01,150.21 179.38,150.84 163.69,150.84 143.8,130.96 143.8,50.46 150.92,43.34 164.19,43.34 165.09,42.44 165.09,40.65 D120.04
  L30_SIGNAL w0.071: v1(230.98,181.18) 230.98,180.77 230.91,180.7 226.89,180.7 223.77,177.58 217.64,177.58 216.45,176.39 216.45,172.14 202.97,158.66 184.73,158.66 179.95,153.88 179.95,148.72 179.7,148.48 178.57,148.48 178.5,148.55 v1(178.5,148.95)
D12005: length 267.6
  TOP w0.086: SITE3.174 237.68,176.83 237.6,176.91 234.63,176.91 232.6,174.88 228.05,174.88 v1(227.59,174.42)
  L03_SIGNAL w0.071: v1(181.67,161.52) 181.67,161.93 181.6,162 180.53,162 180.14,161.61 180.14,160.5 179.63,159.99 161.96,159.99 139.33,137.36 139.33,36.48 149.28,26.53 170.22,26.53 172.74,29.05 172.74,33 D120.05
  L32_SIGNAL w0.071: v1(181.67,161.52) 181.67,161.93 181.75,162 183.31,162 184.71,163.4 191.94,163.4 205.94,177.4 222.78,177.4 225.28,174.9 227.52,174.9 227.59,174.83 v1(227.59,174.42)
D12006: length 234.5
  TOP w0.086: SITE3.170 237.68,178.43 237.6,178.51 228.05,178.51 v1(227.59,178.06)
  L03_SIGNAL w0.071: v1(164.91,147.81) 164.91,148.21 164.98,148.28 166.05,148.28 166.34,147.98 166.34,144.31 146.03,124 146.03,55.9 155.96,45.97 172.68,45.97 175.09,43.57 175.09,40.47 D120.06
  L28_SIGNAL w0.071: v1(164.91,147.81) 164.91,148.21 164.98,148.28 166.43,148.28 171.08,152.93 171.08,158.68 179.68,167.28 204.53,167.28 208.94,171.69 211.97,171.69 217.63,177.35 222.89,177.35 224.07,178.53 227.52,178.53 227.59,178.46 v1(227.59,178.06)
D12007: length 268.5
  TOP w0.086: SITE3.173 237.68,177.23 237.6,177.15 234.53,177.15 232.5,175.12 228.05,175.12 v1(227.59,175.57)
  L03_SIGNAL w0.071: v1(181.67,162.67) 181.67,162.27 181.6,162.2 180.45,162.2 179.95,161.69 179.95,160.58 179.55,160.19 161.88,160.19 139.14,137.44 139.14,36.4 149.2,26.33 170.3,26.33 172.94,28.97 172.94,33.24 D120.07
  L32_SIGNAL w0.071: v1(227.59,175.57) 227.59,175.17 227.52,175.1 225.36,175.1 222.86,177.6 205.85,177.6 191.85,163.6 184.63,163.6 183.23,162.2 181.75,162.2 181.67,162.27 v1(181.67,162.67)
D12008: length 234.9
  TOP w0.086: v1(227.59,179.2) 228.05,178.75 237.6,178.75 237.68,178.83 SITE3.169
  L03_SIGNAL w0.071: v1(164.91,148.95) 164.91,148.55 164.98,148.48 166.13,148.48 166.54,148.06 166.54,144.23 146.23,123.91 146.23,55.99 156.04,46.17 172.76,46.17 175.28,43.65 175.28,40.62 D120.08
  L28_SIGNAL w0.071: v1(227.59,179.2) 227.59,178.8 227.52,178.73 223.99,178.73 222.81,177.55 217.55,177.55 211.89,171.89 208.86,171.89 204.45,167.48 179.6,167.48 170.88,158.77 170.88,153.02 166.34,148.48 164.98,148.48 164.91,148.55 v1(164.91,148.95)
D12009: length 210
  TOP w0.086: SITE3.14 247.43,171.48 247.35,171.4 247.35,162.51 v1(247.8,162.06)
  L03_SIGNAL w0.071: D120.09 182.9,33 182.9,31.62 186.69,27.82 201.61,27.82 212.92,39.13 212.92,131.28 209.43,134.77 209.43,146.73 211.24,148.53 212.21,148.53 212.28,148.46 v1(212.28,148.06)
  L30_SIGNAL w0.071: v1(247.8,162.06) 247.4,162.06 247.33,161.99 247.33,157.2 245.1,154.97 221.12,154.97 214.68,148.53 212.35,148.53 212.28,148.46 v1(212.28,148.06)
D12010: length 205.8
  TOP w0.086: v1(249.98,159.32) 249.52,159.77 249.52,162.12 248.15,163.49 248.15,171.4 248.23,171.48 SITE3.16
  L03_SIGNAL w0.071: D120.10 185.19,40.41 185.19,42.54 188.13,45.49 201.3,45.49 206.85,51.04 206.85,127.43 202.67,131.61 202.67,132.82 201.48,134 201.48,136.48 202.67,137.66 202.67,145.55 199.68,148.53 198.76,148.53 198.69,148.46 v1(198.69,148.06)
  L28_SIGNAL w0.071: v1(198.69,148.06) 198.69,148.46 198.76,148.53 200.05,148.53 203.64,152.12 244.99,152.12 249.5,156.64 249.5,159.24 249.57,159.32 v1(249.98,159.32)
D12011: length 209.2
  TOP w0.086: SITE3.13 247.03,171.48 247.11,171.4 247.11,162.51 v1(246.66,162.06)
  L03_SIGNAL w0.071: D120.11 183.09,33.23 183.09,31.7 186.77,28.02 201.53,28.02 212.72,39.22 212.72,131.19 209.23,134.68 209.23,146.81 211.16,148.73 212.21,148.73 212.28,148.8 v1(212.28,149.21)
  L30_SIGNAL w0.071: v1(212.28,149.21) 212.28,148.8 212.35,148.73 214.6,148.73 221.04,155.17 245.02,155.17 247.13,157.29 247.13,161.99 247.06,162.06 v1(246.66,162.06)
D12012: length 205.9
  TOP w0.086: v1(248.83,159.32) 249.28,159.77 249.28,162.02 247.91,163.39 247.91,171.4 247.83,171.48 SITE3.15
  L03_SIGNAL w0.071: D120.12 185.38,40.68 185.38,42.46 188.22,45.29 201.38,45.29 207.05,50.96 207.05,127.51 202.87,131.69 202.87,132.9 201.68,134.08 201.68,136.4 202.87,137.58 202.87,145.63 199.76,148.73 198.76,148.73 198.69,148.8 v1(198.69,149.21)
  L28_SIGNAL w0.071: v1(198.69,149.21) 198.69,148.8 198.76,148.73 199.97,148.73 203.56,152.32 244.91,152.32 249.3,156.72 249.3,159.24 249.23,159.32 v1(248.83,159.32)
D12013: length 194.9
  TOP w0.086: v1(230.98,176.32) 231.43,176.77 232.68,176.77 233.62,177.71 237.6,177.71 237.68,177.63 SITE3.172
  L03_SIGNAL w0.071: v1(212.28,161.52) 212.28,161.93 212.21,162 211.11,162 207.35,158.24 207.35,139.27 205.74,137.67 205.74,134.93 211.36,129.31 211.36,40.59 200.89,30.13 194.58,30.13 192.99,31.71 192.99,33.07 D120.13
  L30_SIGNAL w0.071: v1(212.28,161.52) 212.28,161.93 212.35,162 218.92,162 224.4,167.49 224.4,175.05 226.14,176.79 230.91,176.79 230.98,176.72 v1(230.98,176.32)
D12014: length 185.8
  TOP w0.086: v1(230.98,172.38) 231.43,172.83 232.94,172.83 236.22,176.11 237.6,176.11 237.68,176.03 SITE3.176
  L03_SIGNAL w0.071: D120.14 195.31,40.37 195.31,41.31 197.01,43.01 202.06,43.01 208.96,49.91 208.96,127.67 204.32,132.31 204.32,156.54 198.86,162 198.76,162 198.69,161.93 v1(198.69,161.52)
  L32_SIGNAL w0.071: v1(230.98,172.38) 230.98,172.78 230.91,172.85 226.02,172.85 223.12,169.95 214.24,169.95 207.9,163.6 201.86,163.6 200.25,162 198.76,162 198.69,161.93 v1(198.69,161.52)
D12015: length 194.5
  TOP w0.086: SITE3.171 237.68,178.03 237.6,177.95 233.52,177.95 232.58,177.01 231.43,177.01 v1(230.98,177.46)
  L03_SIGNAL w0.071: D120.15 193.19,33.17 193.19,31.8 194.66,30.33 200.81,30.33 211.16,40.68 211.16,129.23 205.54,134.85 205.54,137.75 207.15,139.36 207.15,158.32 211.03,162.2 212.21,162.2 212.28,162.27 v1(212.28,162.67)
  L30_SIGNAL w0.071: v1(230.98,177.46) 230.98,177.06 230.91,176.99 226.06,176.99 224.21,175.14 224.21,167.57 218.83,162.2 212.35,162.2 212.28,162.27 v1(212.28,162.67)
D12016: length 186.3
  TOP w0.086: SITE3.175 237.68,176.43 237.6,176.35 236.12,176.35 232.84,173.07 231.43,173.07 v1(230.98,173.52)
  L03_SIGNAL w0.071: v1(198.69,162.67) 198.69,162.27 198.76,162.2 198.95,162.2 204.52,156.62 204.52,132.39 209.16,127.75 209.16,49.83 202.14,42.81 197.09,42.81 195.51,41.22 195.51,40.71 D120.16
  L32_SIGNAL w0.071: v1(198.69,162.67) 198.69,162.27 198.76,162.2 200.17,162.2 201.78,163.8 207.82,163.8 214.16,170.14 223.04,170.14 225.94,173.05 230.91,173.05 230.98,173.12 v1(230.98,173.52)
D13101: length 356.4
  TOP w0.086: v1(249.98,219.32) 249.52,219.77 249.52,222.12 248.15,223.49 248.15,231.4 248.23,231.48 SITE1.16
  L03_SIGNAL w0.071: v1(164.91,215.88) 164.91,216.28 164.84,216.35 156.47,216.35 152.77,220.05 146.64,220.05 127.64,201.04 96.07,201.04 82.88,187.85 82.88,52.32 86.38,48.82 88.15,48.82 88.87,49.55 88.87,53.37 D131.01
  L28_SIGNAL w0.071: v1(164.91,215.88) 164.91,216.28 164.98,216.35 166.7,216.35 171.92,221.58 221.97,221.58 225.63,217.92 225.63,216.39 226.52,215.51 247.75,215.51 249.5,217.26 249.5,219.24 249.57,219.32 v1(249.98,219.32)
D13102: length 329.1
  TOP w0.086: v1(247.8,222.06) 247.35,222.51 247.35,231.4 247.43,231.48 SITE1.14
  L03_SIGNAL w0.071: D131.02 91.31,60.83 91.31,64.26 84.17,71.4 84.17,184.57 93,193.4 115.89,193.4 122.22,199.72 128.7,199.72 138.28,209.31 160.44,209.31 163.75,212.62 177.71,212.62 179.84,214.75 179.84,215.74 179.23,216.35 178.57,216.35 178.5,216.28 v1(178.5,215.88)
  L30_SIGNAL w0.071: v1(247.8,222.06) 247.4,222.06 247.33,221.99 247.33,218.29 246.84,217.8 226.17,217.8 224.15,219.82 182.11,219.82 180.27,217.98 180.27,217.07 179.56,216.35 178.57,216.35 178.5,216.28 v1(178.5,215.88)
D13103: length 357
  TOP w0.086: SITE1.15 247.83,231.48 247.91,231.4 247.91,223.39 249.28,222.02 249.28,219.77 v1(248.83,219.32)
  L03_SIGNAL w0.071: D131.03 89.07,53.51 89.07,49.47 88.23,48.62 86.3,48.62 82.68,52.24 82.68,187.94 95.99,201.24 127.56,201.24 146.56,220.24 152.86,220.24 156.55,216.55 164.84,216.55 164.91,216.62 v1(164.91,217.02)
  L28_SIGNAL w0.071: v1(248.83,219.32) 249.23,219.32 249.3,219.24 249.3,217.35 247.67,215.71 226.6,215.71 225.83,216.48 225.83,218.01 222.06,221.78 171.84,221.78 166.61,216.55 164.98,216.55 164.91,216.62 v1(164.91,217.02)
D13104: length 329.1
  TOP w0.086: SITE1.13 247.03,231.48 247.11,231.4 247.11,222.51 v1(246.66,222.06)
  L03_SIGNAL w0.071: D131.04 91.51,60.89 91.51,64.34 84.37,71.48 84.37,184.48 93.09,193.2 115.97,193.2 122.3,199.53 128.78,199.53 138.37,209.11 160.52,209.11 163.83,212.42 177.79,212.42 180.04,214.67 180.04,215.82 179.31,216.55 178.57,216.55 178.5,216.62 v1(178.5,217.02)
  L30_SIGNAL w0.071: v1(178.5,217.02) 178.5,216.62 178.57,216.55 179.48,216.55 180.08,217.15 180.08,218.07 182.03,220.02 224.23,220.02 226.26,217.99 246.75,217.99 247.13,218.37 247.13,221.99 247.06,222.06 v1(246.66,222.06)
D13113: length 301.4
  TOP w0.086: SITE1.170 237.68,238.43 237.6,238.51 228.05,238.51 v1(227.59,238.06)
  L03_SIGNAL w0.071: D131.13 119.27,53.45 119.27,51.93 120.23,50.97 127.3,50.97 132.63,56.3 132.63,184.9 145.63,197.89 180.82,197.89 188.03,205.1 188.03,231.18 196.91,240.06 196.91,243.18 197.51,243.78 198.37,243.78 198.44,243.71 v1(198.44,243.31)
  L28_SIGNAL w0.071: v1(198.44,243.31) 198.44,243.71 198.51,243.78 199.75,243.78 202.62,240.91 222.71,240.91 225.09,238.53 227.52,238.53 227.59,238.46 v1(227.59,238.06)
D13114: length 308.7
  TOP w0.086: v1(246.02,219.32) 245.57,219.77 245.57,226.86 246.55,227.84 246.55,231.4 246.63,231.48 SITE1.12
  L03_SIGNAL w0.071: v1(181.67,229.6) 181.67,230 181.75,230.07 182.5,230.07 185.21,227.37 185.21,213.34 177.33,205.47 142.28,205.47 131.08,194.26 131.08,73.72 121.87,64.51 121.87,60.91 D131.14
  L28_SIGNAL w0.071: v1(246.02,219.32) 245.62,219.32 245.55,219.24 245.55,217.71 244.32,216.48 236.38,216.48 234.85,218.01 227.47,218.01 220.21,225.27 187.44,225.27 182.64,230.07 181.75,230.07 181.67,230 v1(181.67,229.6)
D13115: length 301.1
  TOP w0.086: SITE1.169 237.68,238.83 237.6,238.75 228.05,238.75 v1(227.59,239.2)
  L03_SIGNAL w0.071: v1(198.44,244.46) 198.44,244.05 198.37,243.98 197.43,243.98 196.71,243.26 196.71,240.14 187.83,231.26 187.83,205.19 180.74,198.09 145.54,198.09 132.44,184.98 132.44,56.38 127.22,51.17 120.31,51.17 119.47,52.01 119.47,53.43 D131.15
  L28_SIGNAL w0.071: v1(198.44,244.46) 198.44,244.05 198.51,243.98 199.83,243.98 202.71,241.11 222.79,241.11 225.17,238.73 227.52,238.73 227.59,238.8 v1(227.59,239.2)
D13116: length 308.7
  TOP w0.086: SITE1.11 246.23,231.48 246.31,231.4 246.31,227.94 245.33,226.96 245.33,219.77 v1(244.88,219.32)
  L03_SIGNAL w0.071: D131.16 122.07,60.81 122.07,64.43 131.28,73.64 131.28,194.18 142.36,205.27 177.42,205.27 185.4,213.26 185.4,227.45 182.58,230.27 181.75,230.27 181.67,230.34 v1(181.67,230.74)
  L28_SIGNAL w0.071: v1(244.88,219.32) 245.28,219.32 245.35,219.24 245.35,217.8 244.23,216.68 236.46,216.68 234.93,218.21 227.56,218.21 220.3,225.47 187.52,225.47 182.72,230.27 181.75,230.27 181.67,230.34 v1(181.67,230.74)
D13201: length 406.6
  TOP w0.086: v1(230.98,236.32) 231.43,236.77 232.68,236.77 233.62,237.71 237.6,237.71 237.68,237.63 SITE1.172
  L03_SIGNAL w0.071: D132.01 88.79,33.13 88.79,30.31 86.59,28.11 77.59,28.11 64.36,41.34 64.36,216.72 92.14,244.5 127.04,244.5 130.35,241.19 191.67,241.19 194.27,243.78 195.19,243.78 195.26,243.71 v1(195.26,243.31)
  L30_SIGNAL w0.071: v1(195.26,243.31) 195.26,243.71 195.33,243.78 196.41,243.78 196.73,243.46 196.73,242.65 198.47,240.91 209.39,240.91 212.95,237.35 223.14,237.35 223.7,236.79 230.91,236.79 230.98,236.72 v1(230.98,236.32)
D13202: length 375.4
  TOP w0.086: SITE1.174 237.68,236.83 237.6,236.91 234.63,236.91 232.6,234.88 228.05,234.88 v1(227.59,234.42)
  L03_SIGNAL w0.071: v1(164.91,229.6) 164.91,230 164.98,230.07 165.71,230.07 166.65,231.01 166.65,233.05 165.29,234.41 92.06,234.41 76.77,219.12 76.77,47.92 81.28,43.41 89.9,43.41 91.33,41.98 91.33,40.53 D132.02
  L32_SIGNAL w0.071: v1(227.59,234.42) 227.59,234.83 227.52,234.9 226.14,234.9 224.29,233.05 224.29,231.78 222.45,229.94 215.27,229.94 213.11,232.1 167.79,232.1 165.76,230.07 164.98,230.07 164.91,230 v1(164.91,229.6)
D13203: length 407.6
  TOP w0.086: v1(230.98,237.46) 231.43,237.01 232.58,237.01 233.52,237.95 237.6,237.95 237.68,238.03 SITE1.171
  L03_SIGNAL w0.071: v1(195.26,244.46) 195.26,244.05 195.19,243.98 194.19,243.98 191.59,241.38 130.43,241.38 127.12,244.69 92.06,244.69 64.16,216.8 64.16,41.26 77.51,27.91 86.67,27.91 88.98,30.23 88.98,33.1 D132.03
  L30_SIGNAL w0.071: v1(230.98,237.46) 230.98,237.06 230.91,236.99 223.78,236.99 223.22,237.55 213.03,237.55 209.47,241.1 198.56,241.1 196.93,242.73 196.93,243.54 196.49,243.98 195.33,243.98 195.26,244.05 v1(195.26,244.46)
D13204: length 374.4
  TOP w0.086: SITE1.173 237.68,237.23 237.6,237.15 234.53,237.15 232.5,235.12 228.05,235.12 v1(227.59,235.57)
  L03_SIGNAL w0.071: v1(164.91,230.74) 164.91,230.34 164.98,230.27 165.63,230.27 166.45,231.09 166.45,232.97 165.21,234.21 92.14,234.21 76.97,219.04 76.97,48.01 81.36,43.61 89.98,43.61 91.53,42.06 91.53,40.55 D132.04
  L32_SIGNAL w0.071: v1(227.59,235.57) 227.59,235.17 227.52,235.1 226.05,235.1 224.09,233.13 224.09,231.86 222.37,230.14 215.35,230.14 213.19,232.3 167.7,232.3 165.68,230.27 164.98,230.27 164.91,230.34 v1(164.91,230.74)
D13205: length 446.3
  TOP w0.086: SITE1.176 237.68,236.03 237.6,236.11 236.22,236.11 232.94,232.83 231.43,232.83 v1(230.98,232.38)
  L03_SIGNAL w0.071: D132.05 99.05,33.03 99.05,28.02 95.66,24.63 75.34,24.63 60.7,39.27 60.7,238.44 68.24,245.98 129.99,245.98 130.7,246.69 179.16,246.69 180.13,245.71 180.13,244.36 180.71,243.78 181.6,243.78 181.67,243.71 v1(181.67,243.31)
  L32_SIGNAL w0.071: v1(181.67,243.31) 181.67,243.71 181.75,243.78 183.11,243.78 186.04,240.85 208.23,240.85 211.71,237.37 223.48,237.37 224.1,236.75 228.08,236.75 229,235.83 229,233.65 229.79,232.85 230.91,232.85 230.98,232.78 v1(230.98,232.38)
D13206: length 366.9
  TOP w0.086: SITE1.2 242.63,231.48 242.55,231.4 242.55,231.04 241.9,230.39 228.05,230.39 v1(227.59,229.94)
  L03_SIGNAL w0.071: v1(178.5,229.6) 178.5,230 178.57,230.07 179.38,230.07 179.92,229.53 179.92,228.93 178.58,227.59 159.21,227.59 156.9,225.28 148.75,225.28 132.1,208.62 87,208.62 79.87,201.49 79.87,50.93 84.63,46.16 99.18,46.16 101.39,43.95 101.39,40.43 D132.06
  L32_SIGNAL w0.071: v1(178.5,229.6) 178.5,230 178.57,230.07 179.52,230.07 179.96,229.63 179.96,228.71 182.07,226.6 222.68,226.6 226.49,230.41 227.52,230.41 227.59,230.34 v1(227.59,229.94)
D13207: length 447.2
  TOP w0.086: v1(230.98,233.52) 231.43,233.07 232.84,233.07 236.12,236.35 237.6,236.35 237.68,236.43 SITE1.175
  L03_SIGNAL w0.071: D132.07 99.24,33.2 99.24,27.94 95.74,24.44 75.26,24.44 60.5,39.19 60.5,238.52 68.16,246.18 129.91,246.18 130.61,246.89 179.24,246.89 180.33,245.79 180.33,244.44 180.79,243.98 181.6,243.98 181.67,244.05 v1(181.67,244.46)
  L32_SIGNAL w0.071: v1(230.98,233.52) 230.98,233.12 230.91,233.05 229.88,233.05 229.2,233.73 229.2,235.91 228.16,236.95 224.18,236.95 223.56,237.57 211.79,237.57 208.31,241.05 186.13,241.05 183.19,243.98 181.75,243.98 181.67,244.05 v1(181.67,244.46)
D13208: length 367
  TOP w0.086: v1(227.59,231.08) 228.05,230.63 241.8,230.63 242.31,231.14 242.31,231.4 242.23,231.48 SITE1.1
  L03_SIGNAL w0.071: D132.08 101.58,40.66 101.58,44.03 99.26,46.36 84.72,46.36 80.06,51.01 80.06,201.41 87.08,208.43 132.18,208.43 148.84,225.08 156.98,225.08 159.29,227.39 178.66,227.39 180.12,228.85 180.12,229.61 179.47,230.27 178.57,230.27 178.5,230.34 v1(178.5,230.74)
  L32_SIGNAL w0.071: v1(227.59,231.08) 227.59,230.68 227.52,230.61 226.41,230.61 222.6,226.8 182.15,226.8 180.15,228.8 180.15,229.71 179.6,230.27 178.57,230.27 178.5,230.34 v1(178.5,230.74)
D13209: length 330.4
  TOP w0.086: SITE1.6 244.23,231.48 244.15,231.4 244.15,230.57 239.24,225.66 239.24,222.51 v1(239.69,222.06)
  L03_SIGNAL w0.071: D132.09 109.14,33.1 109.14,25.7 113.7,21.15 130.12,21.15 137.97,28.99 137.97,137.27 161.12,160.43 161.12,162.01 166.7,167.59 168.28,167.59 172.25,171.56 179.35,171.56 183.21,175.42 183.21,179.55 185.68,182.02 185.68,184.98 203.32,202.63 203.32,222.62 210.77,230.07 211.95,230.07 212.03,230 v1(212.03,229.6)
  L30_SIGNAL w0.071: v1(239.69,222.06) 239.29,222.06 239.22,221.99 239.22,220.8 237.97,219.55 228.32,219.55 221.32,226.56 217.22,226.56 213.71,230.07 212.1,230.07 212.03,230 v1(212.03,229.6)
D13210: length 312.8
  TOP w0.086: SITE1.168 237.68,239.23 237.6,239.31 233.36,239.31 232.18,240.48 231.43,240.48 v1(230.98,240.03)
  L03_SIGNAL w0.071: v1(212.03,243.31) 212.03,243.71 212.1,243.78 213.1,243.78 213.66,244.35 213.66,245.45 213.12,245.99 205.69,245.99 189.34,229.64 189.34,205.35 175.29,191.3 146.34,191.3 134.27,179.23 134.27,55 125.74,46.47 115.21,46.47 111.57,42.83 111.57,40.45 D132.10
  L30_SIGNAL w0.071: v1(230.98,240.03) 230.98,240.43 230.91,240.51 217.13,240.51 213.85,243.78 212.1,243.78 212.03,243.71 v1(212.03,243.31)
D13211: length 329.7
  TOP w0.086: v1(238.55,222.06) 239,222.51 239,225.76 243.91,230.67 243.91,231.4 243.83,231.48 SITE1.5
  L03_SIGNAL w0.071: D132.11 109.34,33.14 109.34,25.78 113.78,21.34 130.04,21.34 137.77,29.07 137.77,137.35 160.92,160.51 160.92,162.09 166.62,167.79 168.2,167.79 172.17,171.76 179.27,171.76 183.01,175.5 183.01,179.64 185.48,182.1 185.48,185.07 203.13,202.71 203.13,222.7 210.69,230.27 211.95,230.27 212.03,230.34 v1(212.03,230.74)
  L30_SIGNAL w0.071: v1(238.55,222.06) 238.95,222.06 239.02,221.99 239.02,220.88 237.89,219.75 228.41,219.75 221.4,226.75 217.31,226.75 213.79,230.27 212.1,230.27 212.03,230.34 v1(212.03,230.74)
